# KiCad board PC110.kicad_pcb (continued)
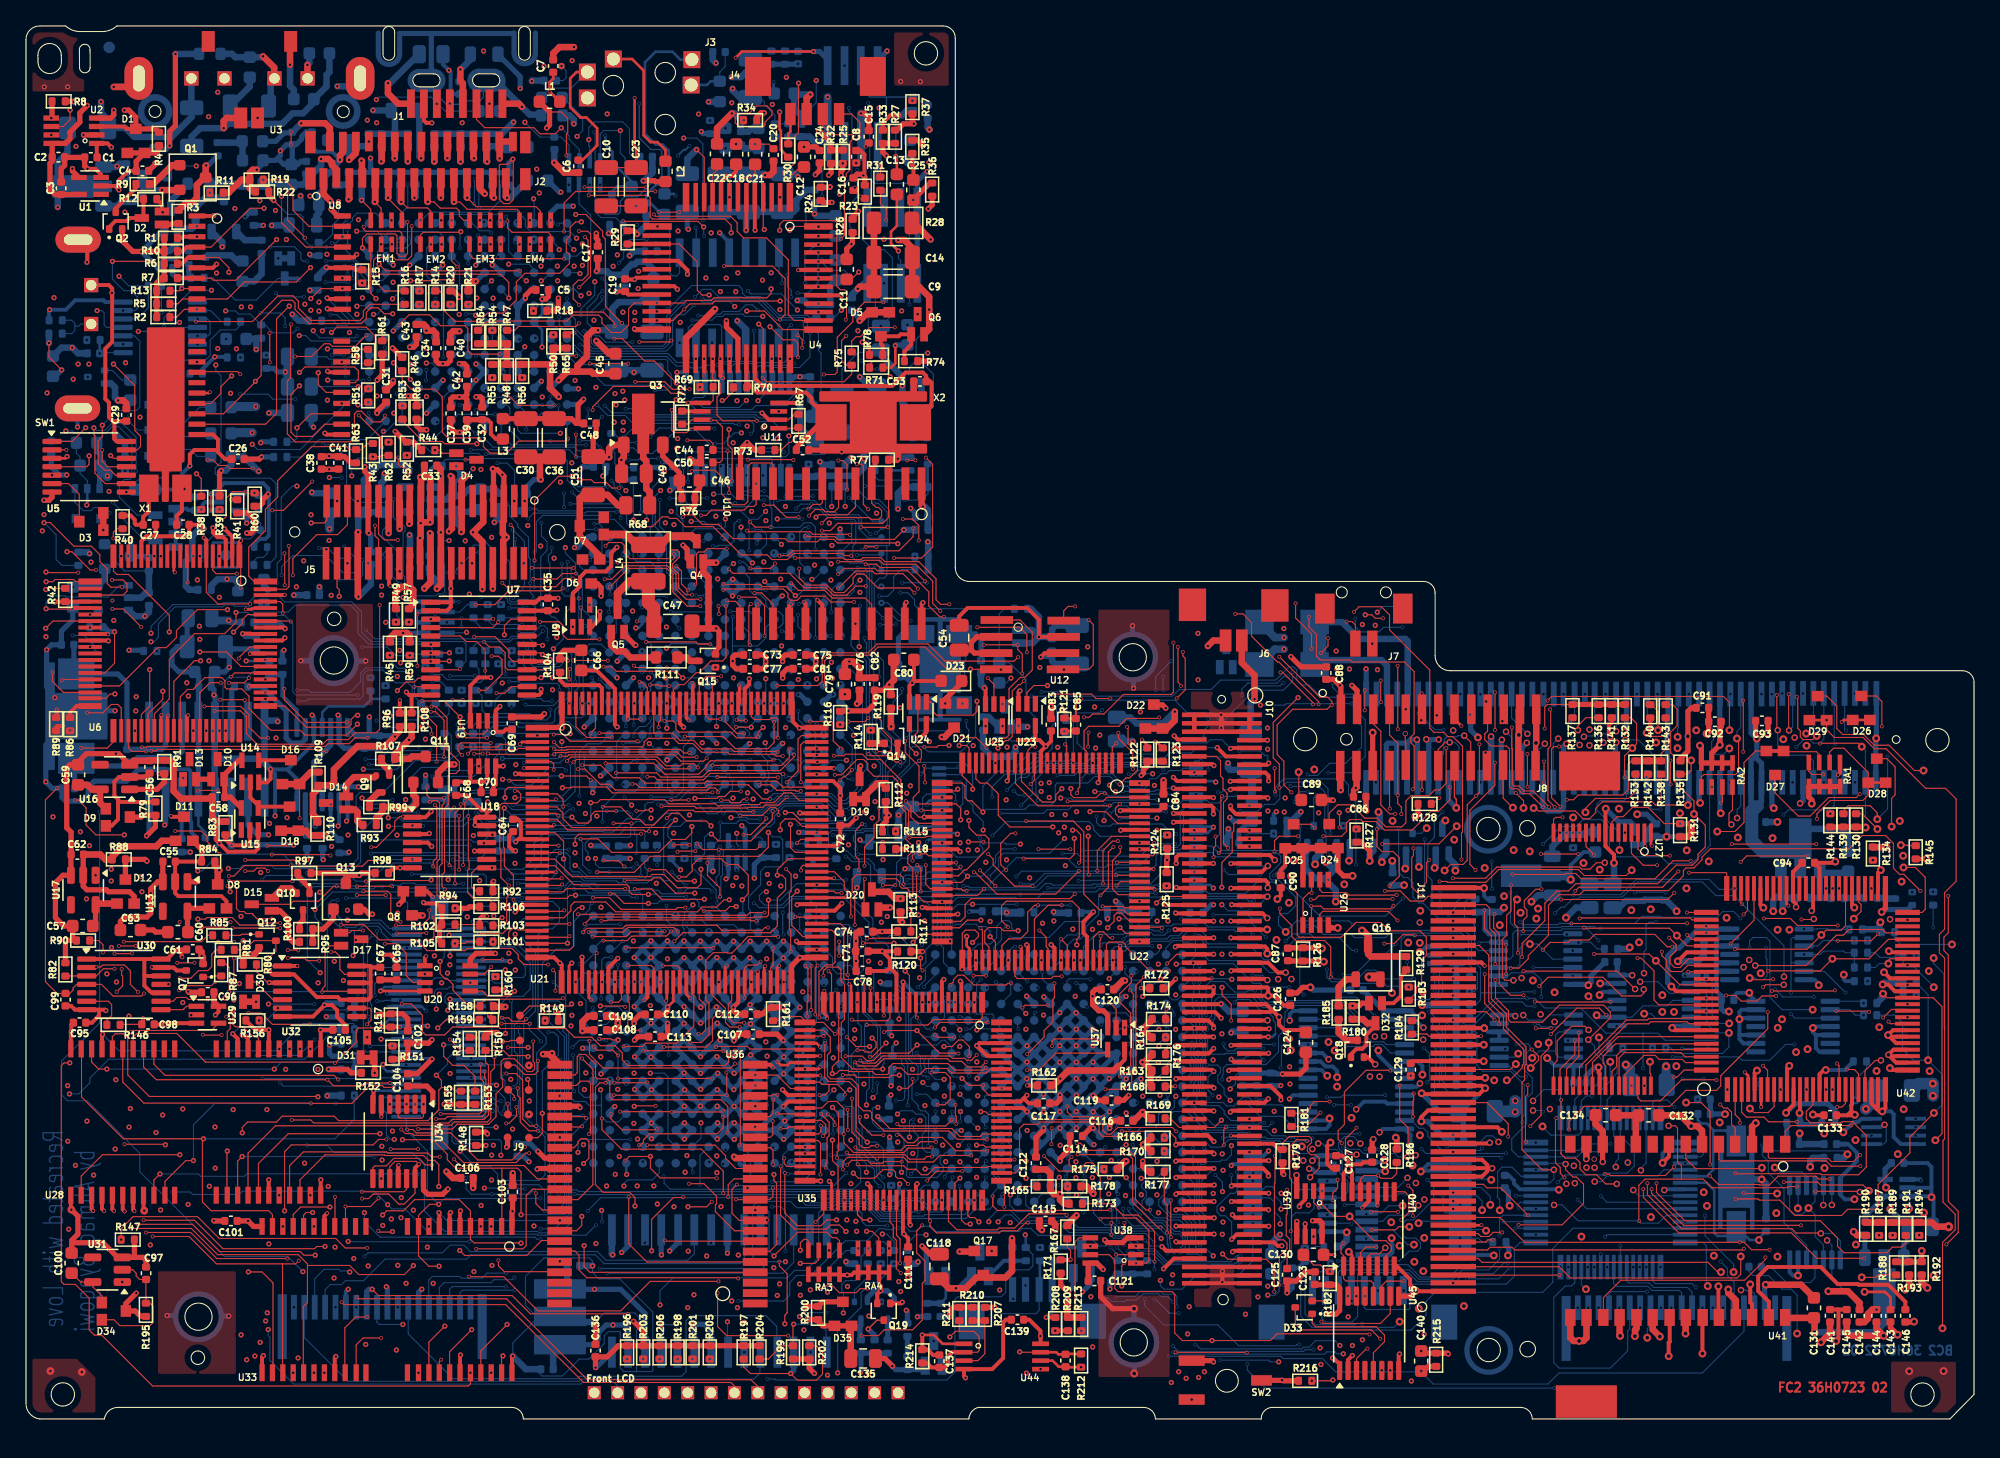
[diagram p0: board, top side]
## Routing (per net, layer and track width the routed paths; a pad name or vN(x,y) marks a point on that pad's centre or on a via; arc(x,y) is an arc through that point) (continued)
  BC2 w0.08: v4(97.79,20.21) 97.32,19.74 97.32,18.49 98.13,17.69 U73.5
ESS_Sound: length 3.3
  FC2 w0.3: U4.9 53.54,95.38 53.96,95.8 54.36,95.8 54.7,96.14 C18.1
F65_ENAVEE: length 52.4
  FC2 w0.08: J5.26 27.16,67.79 26.88,68.07 v3(26.88,68.84)
  FC1 w0.08: v3(26.88,68.84) 26.88,69.97 24.3,72.55 v1(23.37,72.55)
  IC2 w0.08: v1(23.37,72.55) 22.48,72.55 21.75,73.28 21.75,84.64 21.94,84.83 v1(21.94,85.44)
  BC1 w0.08: v1(21.94,85.44) 21.35,85.44 20.94,85.85 20.94,87.43 21.04,87.53 v7(21.04,87.77) ; v7(24.32,72.52) 24.32,80.59 24.46,80.73 30.2,80.73 30.39,80.54 31.08,80.54 31.29,80.75 31.29,81.87 v7(31.48,82.06)
  BC2 w0.08: v7(24.32,72.52) 24.29,72.55 v1(23.37,72.55) ; R237.1 14.41,87.94 16.12,86.23 17.74,86.23 19.4,87.89 D37.3
  BC2 w0.3: v7(21.04,87.77) 20.92,87.89 D37.3
FCS_BVD1: length 46.5
  FC2 w0.08: v3(114.91,35.92) 114.91,37.89 114.65,38.15 114.65,39.83 v2(114.85,40.03) ; 144.93,39.04 146.06,39.04 146.29,39.27 146.29,41.74 145.53,42.5 v2(144.62,42.5)
  FC1 w0.08: v3(114.91,35.92) 110.02,35.92 v3(109.93,35.83)
  IC1 w0.08: v2(144.62,42.5) 144.57,42.5 143.1,41.03 132.87,41.03 132.31,41.59 126.01,41.59 124.97,40.55 115.37,40.55 v2(114.85,40.03)
FCS_BVD2: length 48.1
  FC2 w0.08: v3(145.92,40.7) 144.65,41.97 144.31,41.97 143.84,42.44 143.84,44.36 143.24,44.96 141.43,44.96 140.41,43.94 129.74,43.94 129.1,43.3 129.1,43.09 128.47,42.46 127.86,42.46 127.66,42.26 127.66,41.86 126.52,40.72 119.99,40.72 119.67,40.4 118.08,40.4 117.27,39.59 117.27,37.27 115.72,35.72 115.72,35.47 114.99,34.74 v3(114.36,34.74)
  FC1 w0.08: v3(109.93,34.58) 111.1,34.58 111.77,35.25 112.47,35.25 112.98,34.74 v3(114.36,34.74) ; v3(144.93,38.46) 145.92,39.46 v3(145.92,40.7)
FCS_IOCHRDY: length 172.6
  FC2 w0.08: U22.98 83.26,47.9 82.96,47.6 v3(80.23,47.6) ; v4(133.2,34.94) 137.11,34.94 139.45,37.28 139.98,37.28 140.42,37.72 143.01,37.72 143.27,37.46 144.93,37.46
  FC1 w0.08: v3(80.23,47.6) 79.8,47.17 79.61,47.17 79.02,46.58 v1(79.01,46.58) ; v4(107.62,29.23) 107.66,29.23 108.78,30.35 109.55,30.35 v3(109.93,30.73)
  IC1 w0.08: v1(72.58,43.85) 72.98,43.45 73.64,43.45 74.17,43.98 74.17,45.08 75.76,46.67 78.76,46.67 78.85,46.58 v1(79.01,46.58) ; v4(133.2,34.94) 133.06,34.94 132.15,34.03 132.15,33.18 130.83,31.86 118.18,31.86 117.84,32.2 110.94,32.2 107.97,29.23 v4(107.62,29.23) 106.8,29.23 106.05,29.98 106.05,30.45 102.56,33.94 97.51,33.94 v4(97.47,33.9)
  IC2 w0.08: v1(73.31,24.9) 74.27,24.9 75.14,25.77 75.14,40.45 72.58,43.01 v1(72.58,43.85)
  IC3 w0.08: v1(72.58,43.85) 72.58,43.89 72.98,44.29 72.98,44.69 72.13,45.54 71.63,45.54 71.35,45.82 65.71,45.82 65.51,45.62 62.86,45.62 62.48,46 61.3,46 59.99,47.31 57.15,47.31 56.28,46.44 54.4,46.44 v1(54.3,46.34)
  IC4 w0.08: v1(79.01,46.58) 79.57,47.14 80.06,47.14 80.9,47.98 80.9,51.52 82.94,53.56 90.86,53.56 91.73,52.69 94.58,52.69 95.13,52.15 95.13,49.09 95.61,48.61 96.07,48.61 96.49,48.19 96.49,47.71 96.75,47.45 97.06,47.45 97.36,47.15 97.36,46.54 96.59,45.77 96.59,40.61 96.85,40.35 96.85,39.92 96.81,39.88 96.81,39.04 97.47,38.38 v4(97.47,33.9)
  BC1 w0.08: v1(73.31,24.9) 73.31,25.45 73.66,25.8 73.66,26.48 v7(72.62,27.52) ; v7(56.55,46.22) 56.55,45.16 57.42,44.28 v7(57.77,44.28) ; v1(54.3,46.34) 54.3,47.04 53.91,47.43 53.91,48.95 53.58,49.28 53.58,51.03 v7(53.19,51.42)
  BC2 w0.08: v7(56.55,46.22) 55.64,46.22 55.52,46.34 v1(54.3,46.34) ; 52.56,51.45 53.16,51.45 v7(53.19,51.42) ; v7(72.62,27.52) 72.57,27.57 72.57,28.19
FCS_RESET: length 89.7
  FC2 w0.08: 109.93,29.48 108.09,29.48 107.9,29.67 106.8,29.67 106.76,29.63 ; v3(115.67,25.73) 115.67,25 115.5,24.83 115.5,21.4 v3(115.55,21.35)
  FC2 w0.2: v3(112.07,29.5) 112.05,29.48 109.93,29.48 ; 106.76,29.63 106.75,29.62
  FC1 w0.08: v2(144.63,23.87) 144.64,23.88 145.13,23.88 145.61,24.36 145.61,31.27 144.93,31.96 v3(144.93,31.96) ; v3(112.07,29.5) 113.11,29.5 113.9,28.71 113.9,27.5 v3(115.67,25.73) ; v3(115.55,21.35) v4(113.42,21.35)
  IC3 w0.08: v2(140.92,21.49) 140.5,21.07 114.31,21.07 114.03,21.35 v4(113.42,21.35)
  BC1 w0.08: v2(140.92,21.49) 142.59,23.16 143.92,23.16 v2(144.63,23.87) ; v7(108.5,34.22) 109.36,34.22 110.22,35.08 v7(110.22,36.39) ; v7(108.86,25.72) 109.47,25.11 v7(109.47,21.01) 109.52,20.96 109.52,15.63 110.9,14.25 110.9,13.72 v7(110.47,13.29) ; v7(108.51,33.01) 108.32,32.82 108.32,32.07 108.38,32.01 108.38,31.01 108.33,30.96 v7(108.33,30.73)
  BC2 w0.08: v4(113.42,21.35) 113.42,21.37 112.97,21.82 112.49,21.82 111.68,21.01 v7(109.47,21.01) ; v7(108.33,30.73) 108.33,30.21 108.93,29.61 108.93,27.11 108.86,27.04 v7(108.86,25.72) ; v7(108.5,34.22) 108.5,33.02 v7(108.51,33.01)
FDC_ACK#: length 63.8
  FC2 w0.08: v4(119.54,53.08) 119.54,53.42 120.16,54.04 R136.1 ; v1(80.75,44.74) 80.75,43.51 80.42,43.18 v3(76.84,43.18)
  FC2 w0.2: U22.60 76.67,36.32 v3(76.6,36.39)
  FC1 w0.08: v3(76.6,36.39) 76.6,36.98 77.02,37.4 77.02,39.87 76.84,40.05 v3(76.84,43.18)
  IC2 w0.08: v2(110.01,44.64) 109.48,44.64 109.27,44.43 81.48,44.43 81.17,44.74 v1(80.75,44.74)
  IC4 w0.08: v2(110.01,44.64) 111,45.63 111,46.35 112.16,47.51 114.31,47.51 117.48,50.68 117.48,52.69 117.87,53.08 v4(119.54,53.08)
  BC1 w0.08: v7(119.23,51.47) 119.23,52.78 119.53,53.08 v4(119.54,53.08)
  BC2 w0.08: v7(119.23,51.47) J13.71
FDC_AUTOFD#: length 59.2
  FC2 w0.08: v3(109.67,48.69) 109.67,47.7 108.8,46.83 108.23,46.83 106.79,45.39 104.63,45.39 103.98,46.04 102.96,46.04 102.81,46.19 101.96,46.19 101.73,45.96 101.73,45.3 101.33,44.9 v3(99.93,44.9) ; v3(116.93,50.66) v3(116.93,49.06)
  FC2 w0.3: R141.1 122.15,53.69 121.92,53.46 121.92,52.67 v4(122.02,52.57)
  FC1 w0.08: v3(109.67,48.69) 110.04,49.06 v3(116.93,49.06) ; v3(99.93,44.9) 98.84,43.81 98.84,42.5 99.85,41.49 99.85,38.76 99.05,37.96 96.65,37.96 95.92,37.23 94.56,37.23 94.38,37.05 94.38,37.02 94.02,36.66 90.1,36.66 89.11,35.67 86.66,35.67 86.55,35.78 84.05,35.78 83.72,35.45 v3(83.72,35.35) ; v4(122.02,52.57) 122.02,52.05 120.63,50.66 v3(116.93,50.66)
  BC2 w0.08: J13.73 120.83,51.49 121.02,51.68 121.02,52.46 121.35,52.79 121.8,52.79 v4(122.02,52.57)
FDC_BUSY: length 90.6
  FC2 w0.08: R143.2 126.84,55.05 127.18,54.71 127.18,53.42 126.68,52.92 126.68,51.34 126.96,51.06 126.96,49.14 128.48,47.62 v2(128.48,46.62) 129.35,45.75 129.35,44.08 128.79,43.52 128.79,43.1 128.37,42.68 127.11,42.68 125.68,41.25 119.37,41.25 118.81,40.69 117.93,40.69 116.99,39.75 116.99,38.4 115.24,36.65 v3(115.24,35.6) ; v3(106.97,37.27) 106.92,37.32 106.07,37.32 105.38,36.63 v3(104.63,36.63) ; U22.59 76.17,34.13 76.36,33.94 78.97,33.94 79.14,34.11 v3(79.78,34.11)
  FC1 w0.08: v3(115.24,35.6) 115.15,35.51 109.59,35.51 107.83,37.27 v3(106.97,37.27) ; v3(104.63,36.63) 102.51,34.51 99.36,34.51 98.21,33.36 95.09,33.36 93.29,35.16 90.92,35.16 90.45,34.69 90.45,33.42 89.15,32.12 86.74,32.12 86.56,31.94 84.35,31.94 84.05,32.24 84.05,34.21 83.94,34.32 83.07,34.32 82.86,34.11 v3(79.78,34.11)
  BC1 w0.08: v2(128.48,46.62) 128.48,48.73 126.17,51.04 126.17,55.37 v7(125.68,55.86)
FDC_CLK: length 64.6
  FC2 w0.2: v1(75.58,49.17) 75.67,49.26 U22.18
  IC3 w0.08: v1(75.58,49.17) 75.51,49.24 69,49.24 68.72,49.52 62.81,49.52 60.85,51.48 44.9,51.48 44.76,51.62 23.37,51.62 19.9,55.09 19.9,59.23 v1(19.88,59.25)
  BC2 w0.4: v1(19.88,59.25) 19.75,59.12 R332.2
FDC_CTS1#: length 147.1
  FC2 w0.08: v3(107.5,55.92) 107.5,54.72 J8.8 107.47,54.63 v3(107.47,53.84) ; U22.80 84.88,38.9 84.56,39.22 82.71,39.22 81.48,40.45 81.48,45.26 80.66,46.08 v3(77.04,46.08) ; v3(118.2,47.18) 117.51,47.87 117.51,51.63 117.7,51.82 v3(118.09,51.82) ; 144.79,14.17 144.79,13.58 144.45,13.24 143.76,13.24 143.33,12.81 140.03,12.81 139.54,13.3 139.54,13.94 138.21,15.27 127.78,15.27 125.59,17.46 v3(125.59,18.16)
  FC1 w0.08: v3(107.5,55.92) 106.86,55.92 106.56,56.22 106.56,60.42 104.33,62.65 103.79,62.65 103.64,62.5 103.64,61.63 103.46,61.45 103.46,61.09 103.18,60.81 98.5,60.81 97.52,61.79 94.37,61.79 93.8,61.22 87.32,61.22 86.83,60.73 76.4,60.73 74.41,58.74 74.41,55 77.04,52.37 v3(77.04,46.08) ; v3(118.2,47.18) 118.2,46.77 117.86,46.43 117.86,38.47 118.52,37.81 118.52,34.06 118.81,33.77 118.81,25.33 119.03,25.11 121.61,25.11 125.44,21.28 125.44,19.36 125.57,19.23 125.57,18.18 v3(125.59,18.16) ; v3(107.47,53.84) 107.55,53.76 112.74,53.76 113.44,54.46 116.07,54.46 116.68,53.85 117.15,53.85 117.48,53.52 117.48,52.17 117.83,51.82 v3(118.09,51.82)
FDC_CTS2#: length 54.8
  FC2 w0.08: v2(128.01,47.31) 125.51,47.31 125.26,47.56 121.42,47.56 120.91,47.05 120.91,46.73 120.44,46.26 119.93,46.26 119.34,46.85 116.49,46.85 116.26,47.08 v2(116.13,47.08)
  FC1 w0.08: v1(96.31,46.8) 96.31,45.83 95.48,45 93.9,45 93.48,44.58 91.35,44.58 88.78,47.15 87.14,47.15 86.64,46.65 86.64,45.29 87.22,44.71 87.22,44.11 87.01,43.9 v3(85.77,43.9)
  IC2 w0.08: v2(116.13,47.08) 114,49.21 101.2,49.21 100.27,48.28 96.61,48.28 96.31,47.98 v1(96.31,46.8)
  BC2 w0.3: v1(96.31,46.8) 96.1,46.59 R303.2
  BC2 w0.4: J13.82 128.08,47.38 v2(128.01,47.31)
FDC_DACK#: length 36.8
  FC2 w0.08: U22.34 69.36,44.9 69.27,44.81 v3(68.06,44.81) 68.06,45.28 67.98,45.36 67.98,46.88 67.39,47.47 67.39,49.22 67.38,49.23 67.38,49.25 65.8,50.83 64.83,50.83 64.43,51.23 63.13,51.23 63.01,51.11 v3(62.23,51.11)
  FC2 w0.3: R118.1 65.97,44.44 v3(66,44.47)
  FC1 w0.08: v3(62.23,51.11) 62.23,53.01 61.86,53.38 61.86,56.82 61.46,57.22 61.46,59.64 61.04,60.06 55.48,60.06 53.85,58.43 53.85,55.64 v3(53.36,55.15) ; v3(68.06,44.81) 67.77,44.52 67.01,44.52 66.96,44.47 v3(66,44.47)
FDC_DCD1#: length 110.4
  FC2 w0.08: v3(116.85,47.15) 115.81,48.19 115.26,48.19 114.88,48.57 114.44,48.57 114.27,48.74 114.27,51.63 114.04,51.86 112.85,51.86 112.36,52.35 112.36,52.79 112.58,53.01 J8.4 112.47,54.8 v3(112.47,55.29) ; v3(141.59,12.38) 137.94,12.38 135.98,14.34 127.31,14.34 124.58,17.07 v3(124.58,17.72) ; v3(84.29,44.06) 84.29,43.64 83.99,43.34 83.99,43.33 83.69,43.03 83.69,40.84 84.13,40.4 U22.83
  FC1 w0.08: v3(124.58,17.72) 124.58,18.45 124.82,18.69 124.82,20.94 121.22,24.54 118.73,24.54 118.19,25.08 118.19,33.48 117.95,33.72 117.95,37.43 117.3,38.08 117.3,46.44 116.85,46.89 v3(116.85,47.15) ; v3(84.29,44.06) 84.92,44.69 84.92,47.43 84.81,47.54 84.81,50.13 85.3,50.62 89.21,50.62 91.46,52.87 93.61,52.87 97.07,56.33 99.83,56.33 100.29,55.87 104.78,55.87 105.46,55.19 112.37,55.19 v3(112.47,55.29) ; v3(142.74,14.17) 142.74,13.53 v3(141.59,12.38)
FDC_DCD2#: length 79.5
  FC2 w0.08: U22.85 84.3,41.4 v3(84,41.1)
  FC1 w0.08: v1(83.31,38.55) 83.3,38.56 83.3,40.4 v3(84,41.1)
  IC3 w0.08: v2(131.2,51.67) 131.23,51.7 132.38,51.7 133.43,50.65 133.43,40.25 131.24,38.06 122.78,38.06 120.66,35.94 111.78,35.94 109.85,37.87 105.27,37.87 104.32,36.92 100.96,36.92 100.12,37.76 99.12,37.76 98.1,38.78 96.79,38.78 95.94,39.63 94.8,39.63 94.42,39.26 91.05,39.26 90.81,39.5 88.38,39.5 88,39.12 83.88,39.12 v1(83.31,38.55)
  BC2 w0.08: v2(131.2,51.67) 130.75,51.22 130.15,51.22 129.84,51.53 129.84,52.21 129.98,52.35 129.98,53.11 129.68,53.41 J13.17 ; v1(83.31,38.55) 83.29,38.57
  BC2 w0.5: 83.29,38.57 R309.2
FDC_DIR#: length 67.7
  FC2 w0.08: v2(137.93,52.64) 137.65,52.36 136.87,52.36 136.67,52.56 136.67,53.02 136.47,53.22 136.47,55.58 v3(136.39,55.66)
  FC1 w0.08: v3(136.39,55.66) 136.03,55.66 135.85,55.48 132.78,55.48 132.57,55.69 113.77,55.69 113.57,55.49 112.8,55.49 112.68,55.61 109.34,55.61 109.17,55.44 106.3,55.44 104.51,57.23 91.3,57.23 89.54,55.47 89.54,52.82 88.91,52.19 88.07,52.19 87.07,51.19 82.81,51.19 v3(82.17,50.55)
  BC2 w0.08: J13.7 137.68,53.32 137.93,53.07 v2(137.93,52.64)
FDC_DRATE0: length 60.1
  FC2 w0.08: v3(83.48,47.27) 83.46,47.25 77.94,47.25 76.22,48.97 76.22,50.5
  FC1 w0.08: v3(83.48,47.27) 83.48,48.82 v1(83.46,48.84)
  IC3 w0.08: v1(83.46,48.84) 83.46,46.92 86.64,43.74 105.46,43.74 106.08,43.12 112.92,43.12 113.18,42.86 119.95,42.86 v2(119.97,42.84)
  BC1 w0.08: v7(119.59,36.71) 119.59,42.46 v2(119.97,42.84)
  BC2 w0.08: U57.2 120.52,36.74 121.04,36.22 R302.2
FDC_DRATE1: length 56.7
  FC2 w0.08: U22.16 76.67,49.15 78.28,47.54 79.15,47.54 79.32,47.71 79.32,48.1 v1(79.79,48.57)
  IC2 w0.08: v1(79.79,48.57) 79.79,49.07 81.03,50.31 90.07,50.31 90.88,51.12 93.5,51.12 v1(95.63,53.25)
  BC1 w0.08: v7(105.73,45.55) 105.04,45.55 104.43,46.16 99.18,46.16 98.85,46.49 98.85,46.96 97.91,47.9 97.91,49.01 96.42,50.5 96.42,51.22 96.08,51.56 96.08,52.8 v1(95.63,53.25)
  BC2 w0.08: 110.8,38.6 111.06,38.6 111.57,38.09 111.57,36.41 111.89,36.09 U57.12 ; 110.8,38.6 110.8,39.8 111.06,40.06 R306.2 ; 110.8,38.6 108.76,38.6 107.6,39.76 107.29,39.76 106.83,40.22 106.83,41.33 106.44,41.72 106.13,41.72 105.73,42.12 v7(105.73,45.55)
FDC_DS3: length 166.1
  FC2 w0.08: v3(73.79,59.65) 73.8,59.66 76.38,59.66 v3(76.39,59.65) 76.39,59.3 76.74,58.95 v3(76.74,57.44) ; v3(84.82,53.33) 84.89,53.27 84.89,52.04 85.61,51.31 85.61,50 85.01,49.4 84.72,49.4 v3(84.23,48.91) ; v3(68.7,63.99) 67.55,65.14 65.39,65.14 65.19,65.34 63.9,65.34 v3(62.56,64) ; v3(53.54,57.23) 52.41,57.23 51.86,56.68 51.86,55.15 ; v3(76.86,56.86) 76.59,56.59 76.46,56.59 75.97,56.1 75.97,52.59 75.66,52.28 75.44,52.28 74.87,51.71 v1(74.87,51.7) ; U22.95 84.16,46.4 83.92,46.64 83.92,47.09 84.23,47.39 v3(84.25,47.39)
  FC1 w0.08: v3(53.54,57.23) 53.54,57.6 53.66,57.72 53.66,58.6 55.73,60.67 62.36,60.67 62.56,60.87 v3(62.56,64) ; v3(84.82,53.33) 84.82,53.7 82.47,56.05 82.47,57.77 80.59,59.65 v3(76.39,59.65) ; v3(68.7,63.99) 69.18,63.99 69.55,63.62 69.55,62.16 70.46,61.25 71.83,61.25 73.44,59.65 v3(73.79,59.65) ; v3(76.74,57.44) 76.8,57.38 76.8,56.92 v3(76.86,56.86) ; v3(84.25,47.39) 84.25,47.77 84.42,47.94 84.42,48.72 v3(84.23,48.91)
  IC2 w0.08: v2(134.53,44.76) 134.53,44.12 134.23,43.82 v2(127.92,43.82)
  IC3 w0.08: v2(127.92,43.82) 127.92,44.69 126.99,45.62 119.41,45.62 117.09,43.3 112.12,43.3 111.46,43.96 90.25,43.96 89.46,44.75 89.46,49.12 88.6,49.98 87.75,49.98 87.1,49.33 86.57,49.33 86.32,49.58 86.32,49.8 86.03,50.09 81.49,50.09 80.44,51.14 80.44,51.49 79.61,52.32 77.32,52.32 76.38,51.38 75.19,51.38 v1(74.87,51.7)
  BC1 w0.08: v2(134.53,44.76) 134.53,42.21 136.96,39.78 136.96,38.63 137.53,38.06 137.53,34.71 139.41,32.83 139.41,26.12 140.23,25.3 144.85,25.3 145.54,24.61 145.54,23.15 v7(145.55,23.14)
FDC_DSKCHG#: length 68.8
  FC2 w0.08: v3(77.75,51.8) 77.45,51.8 77.17,51.52 U22.15
  FC2 w0.2: v3(85.95,52.35) 86.37,51.93 R122.2
  FC1 w0.08: v1(100.97,57.8) 99.57,57.8 99.26,58.11 89.03,58.11 86.39,55.47 86.39,52.79 v3(85.95,52.35) 85.53,52.77 84.77,52.77 84.57,52.57 83.7,52.57 83.17,53.1 82.53,53.1 81.99,52.56 81.22,52.56 79.98,51.32 78.23,51.32 v3(77.75,51.8)
  IC1 w0.08: v2(128.65,53.07) 128.65,53.87 127.01,55.51 102.41,55.51 101.62,56.3 101.62,57.15 v1(100.97,57.8)
  BC1 w0.08: v7(133.68,55.86) 133.68,54.5 132.92,53.74 129.32,53.74 v2(128.65,53.07)
FDC_DSR1: length 122.8
  FC2 w0.08: v3(108.67,54.22) 108.67,54.58 J8.7 ; U22.78 87.42,37.9 v3(87.49,37.83) ; v3(91.63,44.89) 91.63,44.17 91.47,44.01 v3(91.47,43.28) ; v3(96.21,48.35) 96.18,48.38 v3(96.18,50.15) ; v3(148.07,40.31) 148.07,37.47 147.73,37.13 147.73,36.09 148.07,35.75 148.07,16.76 148.83,16 148.83,14.36 v3(147.92,13.45)
  FC1 w0.08: v3(147.92,13.45) 147.72,13.65 144.3,13.65 v3(143.78,14.17) ; v3(96.21,48.35) 94.48,48.35 93.84,47.71 93.84,45.85 92.88,44.89 v3(91.63,44.89) ; v3(96.18,50.15) 96.18,53.79 97.56,55.17 98.22,55.17 98.68,55.63 99.93,55.63 100.15,55.41 103.6,55.41 104.98,54.03 107,54.03 107.22,54.25 108.64,54.25 v3(108.67,54.22) 108.94,53.95 112.52,53.95 113.25,54.68 116.26,54.68 116.88,54.06 118.01,54.06 118.37,54.42 139.81,54.42 142.47,51.76 142.47,50.13 143.16,49.44 143.16,45.4 143.8,44.76 146,44.76 148.07,42.69 v3(148.07,40.31) ; v3(91.47,43.28) 90.94,43.28 90.63,42.97 90.63,38.66 89.21,37.24 88.08,37.24 v3(87.49,37.83)
FDC_DSR2#: length 71.2
  FC2 w0.08: v3(84.03,42.87) 84.06,42.9 U22.88 ; v1(80.62,45.37) 80.9,45.37 81.23,45.04 81.23,42.99 v3(81.11,42.87)
  FC1 w0.08: v3(84.03,42.87) v3(81.11,42.87)
  BC1 w0.08: v7(82.46,46.43) 82.25,46.43 82.12,46.3 81.55,46.3 v1(80.62,45.37) ; v7(96.1,45.11) 98.49,45.11 99.37,45.99 103.85,45.99 104.82,45.02 105.78,45.02 107.22,43.58 109.9,43.58 111.68,41.8 114.23,41.8 115.23,42.8 115.23,43.99 115.55,44.31 116.86,44.31 v7(116.86,44.31) ; v7(88.58,45.08) 88.96,45.46 90.59,45.46 91.22,44.83 93.09,44.83 93.37,45.11 v7(93.98,45.11)
  BC2 w0.08: v7(93.98,45.11) v7(96.1,45.11) ; v7(116.86,44.31) 118.22,45.66 119.4,45.66 119.92,46.18 121.34,46.18 121.96,45.56 121.96,43.73 122.37,43.32 125.96,43.32 126.49,42.79 128.31,42.79 129.72,44.2 129.72,44.71 129.68,44.75 J13.84 ; v7(88.58,45.08) 88.24,45.42 87.95,45.42 87.52,45.85 83.68,45.85 83.52,45.69 82.73,45.69 82.46,45.96 v7(82.46,46.43)
FDC_DTR1#: length 100.2
  FC2 w0.08: v3(82.93,39.5) 84.53,39.5 84.63,39.4 U22.81
  FC2 w0.5: 146.02,11.13 146.02,10.54 v2(146.46,10.1)
  FC1 w0.08: v1(82.69,38.24) 82.69,38.77 82.93,39.01 v3(82.93,39.5)
  IC3 w0.08: v1(82.69,38.24) 82.69,38.72 83.42,39.45 84.61,39.45 85.47,40.31 94.62,40.31 95.07,39.86 95.97,39.86 96.81,39.02 98.4,39.02 99.44,37.98 100.26,37.98 101.11,37.13 104.18,37.13 105.18,38.13 106.22,38.13 106.78,38.69 109.43,38.69 111.99,36.13 120.46,36.13 122.6,38.27 130.49,38.27 130.5,38.26 130.56,38.26 130.92,38.62 v2(130.99,38.62)
  BC1 w0.08: v2(130.99,38.62) 134.49,35.12 135.55,35.12 136.27,34.4 136.27,30.39 135.79,29.91 135.79,28.02 136.34,27.47 136.34,24.52 136.1,24.28 136.1,22.88 135.7,22.48 135.7,21.88 137.94,19.64 137.94,16.07 138.73,15.28 v4(138.73,13.76) ; v7(140.95,9.01) 145.37,9.01 v2(146.46,10.1)
  BC2 w0.08: v4(138.73,13.76) 139.1,13.39 U64.9 139.1,10.86 v7(140.95,9.01)
FDC_DTR2#: length 52.2
  FC1 w0.08: v3(85.77,44.4) 86.24,44.87 86.24,48.49 86.33,48.58 86.33,50.05 86.46,50.18 90.66,50.18 91,49.84 96.64,49.84 97.13,49.35 100.37,49.35 100.66,49.64 109.04,49.64 109.43,50.03 120.82,50.03 121.78,50.99 124.2,50.99 124.75,51.54 124.75,52.09 125.29,52.63 127.15,52.63 v2(127.22,52.56)
  BC2 w0.08: v2(127.22,52.56) 127.22,53.2 127.28,53.26 J13.20
FDC_ERROR#: length 61.6
  FC2 w0.08: U22.73 83.22,36.56 83.41,36.75 84.48,36.75 84.69,36.54 84.69,36.4 86.51,34.58 88.01,34.58 v3(88.05,34.54)
  FC1 w0.08: v3(88.05,34.54) 88.62,34.54 88.98,34.89 88.98,34.92 89.63,35.57 90.24,35.57 90.91,36.24 93.13,36.24 94.16,35.21 97.49,35.21 100.03,37.75 100.03,41.98 100.63,42.58 100.63,45.73 100.81,45.91 103.98,45.91 104.69,46.62 104.69,47.15 104.89,47.35 109.31,47.35 109.5,47.54 118.3,47.54 118.67,47.17 118.67,46.16 118.95,45.88 121.55,45.88 v2(122.7,47.03) 123.71,48.04 123.71,48.33 v3(124.83,49.45)
  BC1 w0.08: v7(124.03,49.06) 123.26,49.06 122.7,48.5 v2(122.7,47.03)
  BC2 w0.08: 124.03,49.88 v7(124.03,49.06)
FDC_FDRQ: length 34.6
  FC2 w0.08: 55.86,55.15 55.86,54.13 56.09,53.9 57.27,53.9 57.38,54.01 57.81,54.01 57.92,53.9 v3(57.92,52.49) ; v3(62.3,49.64) 62.82,49.64 64,50.82 64.52,50.82 64.84,50.5 64.84,50.01 65.32,49.53 66.74,49.53 67.15,49.12 67.15,47.37 67.77,46.75 67.77,44.68 68.27,44.18 68.27,43.72 67.92,43.37 67.92,42.81 68.31,42.42 v3(68.31,40.4) ; 70.62,36.85 70.65,36.82 v3(71.18,36.82) 70.59,36.82 U22.50
  FC1 w0.08: v3(57.92,52.49) 60.67,52.49 61.26,51.9 61.26,50.23 61.85,49.64 v3(62.3,49.64) ; v3(71.18,36.82) 71.18,40.09 70.86,40.41 69.56,40.41 69.42,40.27 68.76,40.27 68.63,40.4 v3(68.31,40.4)
FDC_FINTR: length 12.9
  FC2 w0.08: v3(71.64,42.88) 71.61,42.85 U22.38 ; v3(66.01,41.12) 66.02,41.13 v3(66.96,41.13)
  FC2 w0.2: v3(63.2,40.28) 63.09,40.17 U21.82
  FC1 w0.08: v3(63.2,40.28) 64.27,40.28 65.11,41.12 v3(66.01,41.12) ; v3(71.64,42.88) 71.3,42.88 69.97,41.55 67.37,41.55 66.96,41.14 v3(66.96,41.13)
FDC_HDCS0#: length 98.2
  FC2 w0.08: U22.23 73.17,49.33 73.5,49 74.07,49 74.89,48.18 74.89,46.52 75.79,45.62 v1(79.09,45.62)
  IC1 w0.08: v2(142.75,30.19) 141.02,30.19 138.53,32.68 137.83,32.68 136.75,33.76 136.75,34.52 129.88,41.39 126.16,41.39 125.13,40.36 115.71,40.36 115.36,40.02 115.36,39.81 115.09,39.53 114.58,39.53 114.35,39.76 114.35,40.77 113.57,41.56 113.17,41.56 113.16,41.56 111.97,41.56 110.51,43.02 106.23,43.02 105.39,42.18 103.52,42.18 103.4,42.3 100.77,42.3 100.55,42.08 98.07,42.08 97.81,42.34 97.09,42.34 96.8,42.05 78.31,42.05 77.98,42.38 75,42.38 74.71,42.67 74.71,44.1 76.29,45.68 79.03,45.68 v1(79.09,45.62)
  BC1 w0.08: v7(141.54,32.04) 141.62,32.04 142.75,30.91 v2(142.75,30.19)
  BC2 w0.08: v7(141.54,32.04) 141.37,32.04 141.22,32.19 U68.1
FDC_HDCS1#: length 121.1
  FC2 w0.08: v1(71.88,51.9) 72.46,51.9 72.64,51.72 72.64,50.58 U22.24
  IC4 w0.08: v1(71.88,51.9) 71.88,55.76 73.37,57.25 73.37,59.57 76.02,62.22 100.51,62.22 102.16,60.57 104.85,60.57 106.64,58.78 106.64,56.27 107.26,55.65 138.36,55.65 139.4,54.61 139.4,54.57 139.41,54.56 139.41,52.58 146.91,45.08 146.91,44.81 146.94,44.78 v2(146.94,35.52)
  BC1 w0.08: v7(147.73,30.15) 146.37,28.79 142.79,28.79 141.54,30.04 v7(141.54,31.12)
  BC2 w0.08: v7(141.54,31.12) 140.9,31.12 140.48,31.54 U68.2 ; v7(147.73,30.15) 147.73,34.3 146.94,35.09 v2(146.94,35.52)
FDC_HDSEL#: length 71.9
  FC2 w0.08: U22.9 80.17,51.86 v3(80.04,51.99) ; v3(88.38,59.83) 88.38,56 88.21,55.83 84.53,55.83 83.03,54.33 82.16,54.33 81.9,54.07 v3(81.5,54.07)
  FC1 w0.08: v3(81.5,54.07) 81.5,53.46 80.04,52 v3(80.04,51.99) ; v3(88.38,59.83) 88.43,59.88 90.52,59.88 91.66,61.02 93.92,61.02 94.49,61.59 97.33,61.59 99.07,59.85 100.61,59.85 100.82,60.06 104.05,60.06 104.31,60.32 104.31,61.45 104.09,61.67 v1(104.09,62.17)
  BC1 w0.08: v7(106.57,62.54) 106.57,56.78 106.76,56.59 133.75,56.59 v7(134.48,55.86)
  BC2 w0.08: v7(106.57,62.54) 106.5,62.61 104.53,62.61 v1(104.09,62.17)
FDC_IDE7: length 133.1
  FC2 w0.08: v2(141.95,17.58) 141.5,18.03 138.23,18.03 138.01,18.25 v3(135.4,18.25) ; v3(86.58,16.11) 86.26,16.11 85.46,16.91 85.46,20.18 84.94,20.7 81.84,20.7 81.83,20.71 81.76,20.71 81.22,21.25 v3(80.94,21.25) ; v3(105.68,15.96) 105.67,15.97 v3(103.6,15.97)
  FC1 w0.08: v2(134.91,12.51) 134.91,15.07 135.39,15.55 135.39,18.24 v3(135.4,18.25) 135.4,21.97 136.07,22.64 136.07,24.31 v3(137.15,25.39) ; v3(103.6,15.97) 102.75,15.97 102.19,16.53 100.43,16.53 100.32,16.64 99.45,16.64 99.2,16.39 99.2,16.23 98.89,15.92 97.55,15.92 97.32,15.69 94.03,15.69 93.09,14.75 91.26,14.75 90.31,15.7 88.12,15.7 87.45,16.37 87.14,16.37 86.88,16.11 v3(86.58,16.11) ; v3(105.68,15.96) 107.16,15.96 107.73,15.39 107.73,13.98 v2(107.7,13.95) v3(109.93,16.18) ; v3(80.94,21.25) 80.94,21.78 80.53,22.2 80.53,23.93 80.58,23.99 80.58,24.35 80.31,24.62 80.31,30.05 79.75,30.61 78.14,30.61 77.89,30.86 77.89,31.67 77.75,31.81 77.75,32.57 77.33,32.99 75.48,32.99 75.04,33.43 75.04,34.58 75.26,34.8 75.26,38.07 75.7,38.51 75.71,38.51 76.05,38.85 76.05,43.31 75.86,43.5 75.86,47.54 75.95,47.63 75.95,48.23 75.03,49.15 75.03,50.19 v3(74.67,50.55)
  IC1 w0.08: v2(107.7,13.95) 107.71,13.94 118.66,13.94 119.21,14.49 123.81,14.49 124.4,13.9 130.56,13.9 131.29,13.17 132.4,13.17 133.06,12.51 v2(134.91,12.51)
  BC1 w0.08: v2(141.95,17.58) 141.95,19.57 140.31,21.21 140.31,21.64 140.69,22.01 140.69,22.48 140.12,23.05 140.12,23.73 v11(140.94,24.55)
  BC2 w0.08: v11(140.94,24.55) 140.94,26.18 141.77,27.01 R369.2
FDC_INIT#: length 62.8
  FC2 w0.08: v3(83.76,44.08) 83.37,43.69 83.37,40.96 v3(82.76,40.35) ; v3(82.78,37.22) 82.78,36.95 82.72,36.89 U22.72 ; v2(120.12,46.75) 120.12,47.05 120.89,47.82 123.44,47.82 123.97,48.35 R133.1
  FC1 w0.08: v1(83.92,48.33) 83.92,47.96 83.85,47.89 83.85,45.15 83.74,45.04 83.74,44.1 v3(83.76,44.08) ; v3(82.78,37.22) 81.92,37.22 81.66,37.48 81.66,39.25 v3(82.76,40.35)
  IC2 w0.08: v2(120.12,46.75) 120.12,47.43 118.14,49.41 100.96,49.41 100,48.45 94.52,48.45 93.37,49.6 90.99,49.6 89.48,48.09 88.22,48.09 87.97,47.84 84.41,47.84 v1(83.92,48.33)
  BC1 w0.08: v7(120.03,49.06) 120.03,46.84 v2(120.12,46.75)
FDC_IOW: length 65.2
  FC2 w0.08: v1(78.68,56.52) 77.64,56.52 77.1,55.98 U23.2
  FC2 w0.3: v1(64.82,18.12) 65.05,17.89 U35.58
  IC4 w0.08: v1(64.82,18.12) 66.44,18.12 66.9,18.58 68.95,18.58 69.42,18.11 73.37,18.11 73.83,18.57 73.83,20.19 73.49,20.53 73.02,20.53 72.7,20.85 72.7,22.66 72.58,22.78 72.58,26.68 72.31,26.95 72.31,29.15 71.95,29.51 71.62,29.51 71.31,29.82 71.31,39.79 71.9,40.38 74.98,40.38 77.05,42.45 77.05,44.97 76.43,45.59 76.43,51.21 76.67,51.45 76.67,52.17 76.25,52.59 76.25,54.48 77.11,55.34 77.11,58.65 77.66,59.2 78.66,59.2 79.2,58.66 79.2,57.04 v1(78.68,56.52)
FDC_IRRX_RXD2: length 119.7
  FC2 w0.08: v2(115.9,27.04) 116.5,27.64 116.5,27.96 v3(115.99,28.47) ; U26.3 99.66,38.89 99.89,39.12 104.94,39.12 v3(105.64,38.42) ; v3(81.88,41.94) 81.82,42 v1(81.82,44.91) ; v3(83.98,41.9) U22.86
  FC1 w0.08: v3(81.88,41.94) 83.94,41.94 v3(83.98,41.9) ; v3(105.64,38.42) 105.64,33.35 106.19,32.8 106.79,32.8 107.38,33.39 110.01,33.39 113.3,30.1 114.38,30.1 115.99,28.49 v3(115.99,28.47)
  IC2 w0.08: v1(81.82,44.91) 82.45,44.91 82.72,44.64 100.3,44.64 101.83,46.17 v1(101.83,46.91)
  IC4 w0.08: v2(115.9,27.04) 115.48,26.62 115.44,26.62 115.43,26.61 114.62,26.61 113.22,28.02 113.22,34.92 115.77,37.47 115.77,39.19 115.39,39.56 115.39,40.6 115.13,40.86 113.35,40.86 112.8,40.31 105.65,40.31 103.68,42.28 99.12,42.28 98.79,42.61 98.79,43.36 101.83,46.4 v1(101.83,46.91)
  BC1 w0.08: v7(114.81,28.9) 114.36,29.35 110.96,29.35 110.8,29.51 110.8,29.91 111.1,30.21 111.1,32 110.5,32.6 110.5,33.24 110.75,33.49 v7(113.48,33.49) ; v7(80.45,39.59) 80.39,39.65 80.39,42.36 80.54,42.51 80.54,43.63 v1(81.82,44.91) 81.82,44.9
  BC2 w0.08: v7(80.45,39.59) 78.05,39.59 77.64,39.18 R315.1 ; v2(115.9,27.04) 115.58,27.36 115.58,28.2 115.84,28.46 115.84,28.76 115.7,28.9 v7(114.81,28.9)
